# Altium PCB FMC_SDR_LFFE.PcbDoc (part 2 of 3)
Units mm, origin at the board's own origin, x right, y up, seen from the top; angles counter-clockwise.
Board outline 84.01 x 69 mm, 6 copper layers (Top, Int1 [GND], Int2 [shielded signals], Int3 [GND+PWR, Int4, Bottom), stack 1.59 mm thick; 335 components, 185 nets, 1107 pads, 416 vias.
Unrouted connection lines stored in the file: 497.
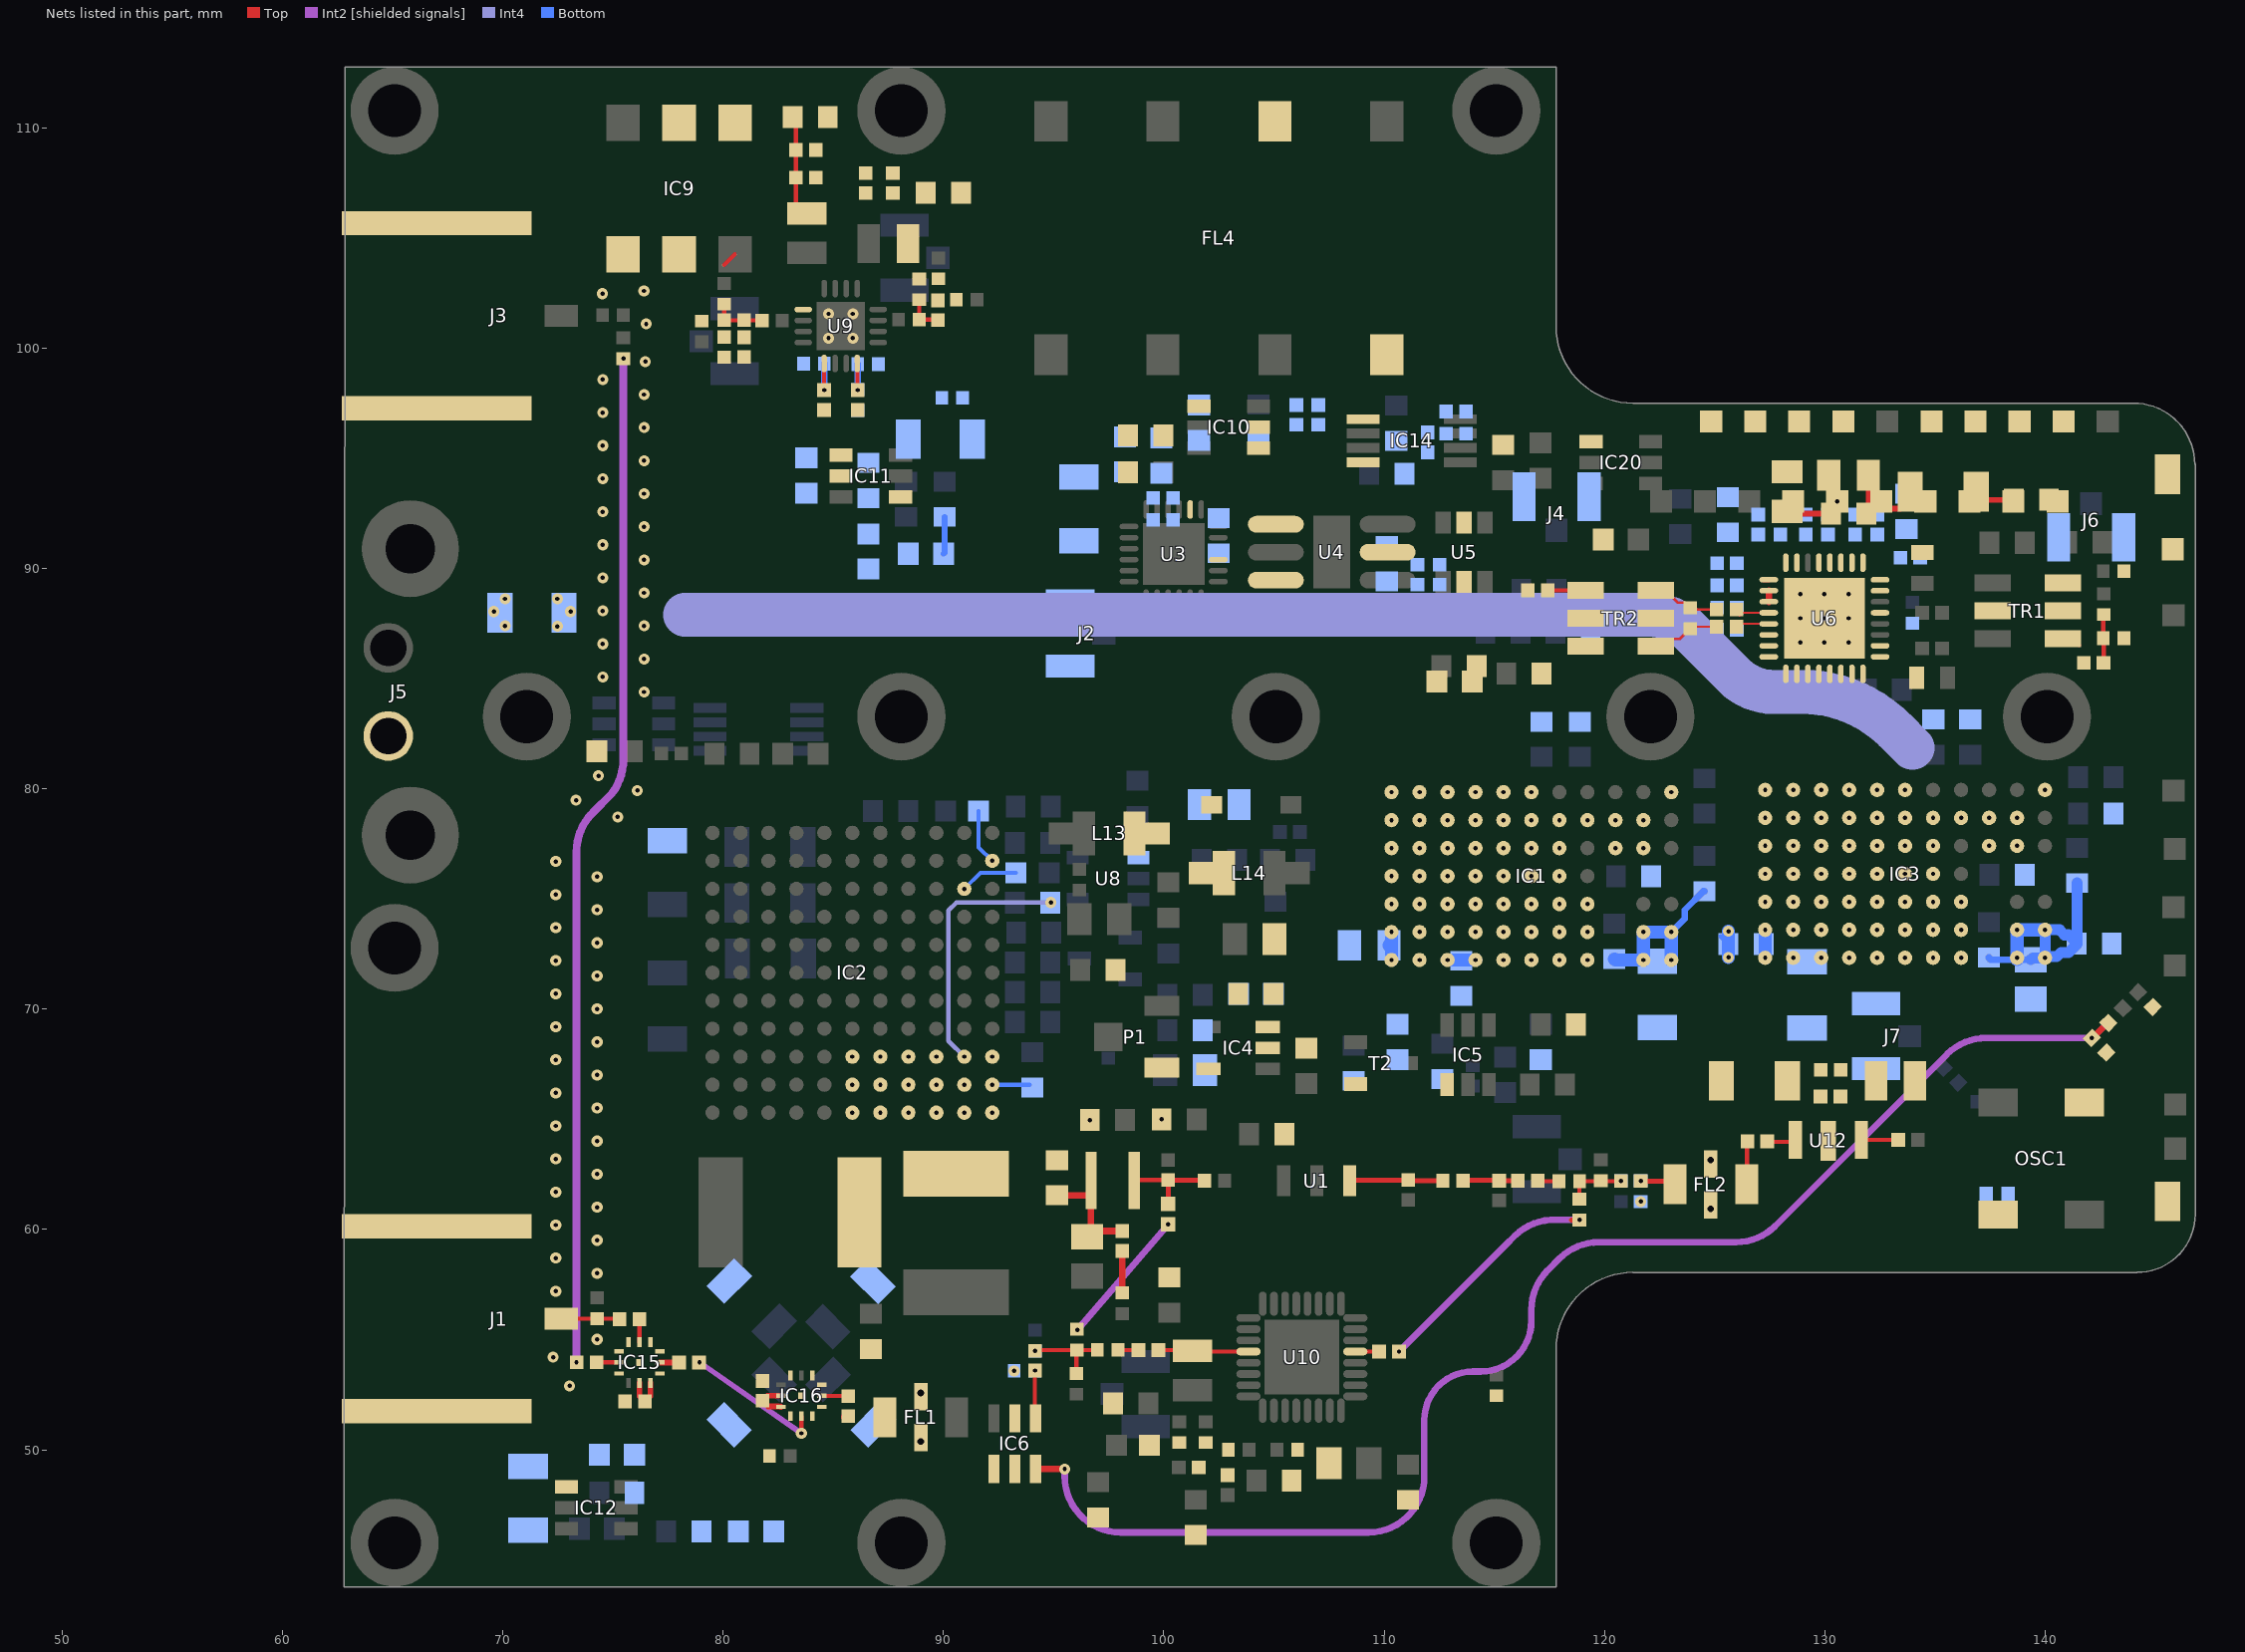
[diagram p6: the nets of this part, all layers, seen from the top]

## Part data
B5 B8 B9 B10 B11 B13 B15 B16 B28 B29 B30 B31: library part PLATED_HOLE2.4_PAD4.0, "Single Terminal Socket", Author="CERN DEM JMW", ComponentHeight=0mm, Component Type="Standard (No BOM)", CreateDate=2011-10-10, Family="Plated Hole", LatestRevisionDate=2011-10-10, Mounted=No, PackageDescription="Plated Through Hole: Hole Dia.=2.4mm Pad Dia.=4.0mm", Part Description="Plated Through Hole: Hole Dia.=2.4mm Pad Dia.=4.0mm", Part Number=PLATED_HOLE2.4_PAD4.0, Pin Count=1, SMD=No, Socket=No, Status=None, Table=Pads
C1: library part CC1206_2.2UF_50V_10%_X7R_YUDEN_UMK316B7225KLHT, "Non-polarised capacitor", Case=1206, Manufacturer="TAIYO YUDEN", Manufacturer Part Number=UMK316B7225KLHT, Tolerance=±10%, Voltage=50V, Author="CERN DEM JLC", ComponentHeight=1.9mm, Component Type=Standard, CreateDate=23.04.2015, HelpURL=\\cern.ch\dfs\Applications\Altium\Datasheets\CC1206_TAIYO-YUDEN_UMK316B7225KLHT.pdf, LatestRevisionDate=17.12.2018, Mounted=Yes, Part Description="SMD Multilayer Chip Ceramic Capacitor (High Dielectric Type) for Automotive / Industrial Applications", Part Number=CC1206_2.2UF_50V_10%_X7R_YUDEN_UMK316B7225KLHT, Pin Count=2, Sense=No, SMD=Yes, Socket=No, Status="Not Recommended", TC=X7R
C2: library part CC1206_22UF_10V_10%_X7R, "Non-polarised capacitor", Case=1206, Manufacturer=GENERIC, Manufacturer1 ComponentHeight=1.8mm, Manufacturer1 Example=MURATA, Manufacturer1 Part Number=GRM31CR71A226KE15L, Tolerance=±10%, Voltage=10V, Author="CERN DEM JLC", Component Type=Standard, CreateDate=08.06.2010, HelpURL=\\cern.ch\dfs\Applications\Altium\Datasheets\CC1206_X7R_MURATA_GRM-HI-CAP.pdf, LatestRevisionDate=08.06.2010, Manufacturer Part Number=CC1206_22UF_10V_10%_X7R, Mounted=Yes, Part Description="SMD Multilayer Chip Ceramic Capacitor", Part Number=CC1206_22UF_10V_10%_X7R, Pin Count=2, Sense=No, SMD=Yes, Socket=No, Status=Preferred, TC=X7R
C3: library part CC0805_10UF_10V_10%_X7R, "Non-polarised capacitor", Case=0805, Manufacturer=GENERIC, Manufacturer1 ComponentHeight=1.35mm, Manufacturer1 Example=MURATA, Manufacturer1 Part Number=GRM21BR71A106KE51L, Tolerance=±10%, Voltage=10V, Author="CERN DEM JLC", Component Type=Standard, CreateDate=30.04.2012, HelpURL=\\cern.ch\dfs\Applications\Altium\Datasheets\CC0805_X7R_MURATA.pdf, LatestRevisionDate=30.04.2012, Manufacturer Part Number=CC0805_10UF_10V_10%_X7R, Mounted=Yes, Part Description="SMD Multilayer Chip Ceramic Capacitor", Part Number=CC0805_10UF_10V_10%_X7R, Pin Count=2, Sense=No, SMD=Yes, Socket=No, Status=Preferred, TC=X7R
C4 C5 C6 C7: library part CC1206_2.2UF_50V_10%_X7R, "Non-polarised capacitor", Case=1206, Manufacturer=GENERIC, Manufacturer1 ComponentHeight=1.8mm, Manufacturer1 Example=KEMET, Manufacturer1 Part Number=C1206C225K5RACTU, Manufacturer Part Number=CC1206_2.2uF_50V_10%_X7R, Tolerance=±10%, Voltage=50V, Author="CERN DEM MR", Component Type=Standard, CreateDate=06.06.2016, HelpURL=\\cern.ch\dfs\Applications\Altium\Datasheets\CC1206_X7R_KEMET.pdf, LatestRevisionDate=06.06.2016, Mounted=Yes, Part Description="SMD Multilayer Chip Ceramic Capacitor", Part Number=CC1206_2.2UF_50V_10%_X7R, Pin Count=2, Sense=No, SMD=Yes, Socket=No, Status=Preferred, TC=X7R
C8 C9: library part CC0603_NO-VALUE, "Non-polarised capacitor", Case=0603, Manufacturer1 ComponentHeight=0.9mm, Author="CERN DEM MR", Component Type=Standard, CreateDate=22.11.2016, HelpURL=Undefined, LatestRevisionDate=22.11.2016, Manufacturer=Undefined, Manufacturer Part Number=CC0603_NO-VALUE, Mounted=No, Part Description="Reserved Footprint For 0603(1608) Chip Ceramic Capacitor", Part Number=CC0603_NO-VALUE, Pin Count=2, Sense=No, SMD=Yes, Socket=No, Status=None
C10: library part CC0805_2.2UF_50V_10%_X7R, "Non-polarised capacitor", Case=0805, Manufacturer=GENERIC, Manufacturer1 ComponentHeight=1.40mm, Manufacturer1 Example=MURATA, Manufacturer1 Part Number=GRM21BR61H225KA73L, Tolerance=±10%, Voltage=50V, Author="CERN DEM JLC", Component Type=Standard, CreateDate=18.08.2014, HelpURL=\\cern.ch\dfs\Applications\Altium\Datasheets\CC0805_X7R_MURATA_GRM.pdf, LatestRevisionDate=18.08.2014, Manufacturer Part Number=CC0805_2.2UF_50V_10%_X7R, Mounted=Yes, Part Description="SMD Multilayer Chip Ceramic Capacitor", Part Number=CC0805_2.2UF_50V_10%_X7R, Pin Count=2, Sense=No, SMD=Yes, Socket=No, Status=Preferred, TC=X7R
C11: library part CC2220_22UF_50V_20%_X7R_KEMET_KPS, "Non-polarised capacitor", Case=2220, Manufacturer=KEMET, Manufacturer Part Number=C2220C226M5R2C7186, Tolerance=±20%, Voltage=50V, Author="CERN DEM JLC", ComponentHeight=5.5mm, Component Type=Standard, CreateDate=20.02.2018, HelpURL=\\cern.ch\dfs\Applications\Altium\Datasheets\CC2220_X7R_KEMET_KPS.pdf, LatestRevisionDate=20.02.2018, Mounted=Yes, Part Description="Multilayer Ceramic Chip Capacitors - Stacked Cap - KEMET KPS Series", Part Number=CC2220_22UF_50V_20%_X7R_KEMET_KPS, Pin Count=2, Sense=No, SMD=Yes, Socket=No, Status=None, TC=X7R
C12: library part CC2220_47UF_25V_20%_X7S_TDK_CKG57N, "Non-polarised capacitor", Case=2220, Manufacturer=TDK, Manufacturer Part Number=CKG57NX7S1E476M500JH, Tolerance=±20%, Voltage=25V, Author="CERN DEM JLC", ComponentHeight=5.5mm, Component Type=Standard, CreateDate=21.10.2014, HelpURL=\\cern.ch\dfs\Applications\Altium\Datasheets\CC2220_X7S_TDK_CKG.pdf, LatestRevisionDate=18.12.2017, Mounted=Yes, Part Description="Multilayer Ceramic Chip Capacitor - Stacked Cap, CKG57N Series", Part Number=CC2220_47UF_25V_20%_X7S_TDK_CKG57N, Pin Count=2, Sense=No, SMD=Yes, Socket=No, Status=None, TC=X7S
C13 C99 C101 C110 C118 C123 C146 C147 C149 C150 C152 C153 C167 C174 C177 C178 C186 C200: library part CC0402_100PF_50V_5%_C0G, "Non-polarised capacitor", Case=0402, Manufacturer=GENERIC, Manufacturer1 ComponentHeight=0.55mm, Manufacturer1 Example=KEMET, Manufacturer1 Part Number=C0402C101J5GACTU, Tolerance=±5%, Voltage=50V, Author="CERN DEM JLC", Component Type=Standard, CreateDate=03.12.2007, HelpURL="\\cern.ch\dfs\Applications\Altium\Datasheets\CC0805_C0G_KEMET_(Commercial Grade).pdf", LatestRevisionDate=22.04.2015, Manufacturer Part Number=CC0402_100PF_50V_5%_C0G, Mounted=Yes, Part Description="SMD Multilayer Chip Ceramic Capacitor", Part Number=CC0402_100PF_50V_5%_C0G, Pin Count=2, Sense=No, SMD=Yes, Socket=No, Status=Preferred, TC=C0G/NP0
C14 C16 C17 C100 C102 C103 C104 C105 C106 C107 C108 C155 C156 C157 C158 C161 C162 C163 C165 C175: library part CC0402_1NF_50V_10%_X7R, "Non-polarised capacitor", Case=0402, Manufacturer=GENERIC, Manufacturer1 ComponentHeight=0.55mm, Manufacturer1 Example=PHYCOMP, Manufacturer1 Part Number=223858715623, Tolerance=±10%, Voltage=50V, Author="CERN DEM JLC", Component Type=Standard, CreateDate=03.12.2007, HelpURL=\\cern.ch\dfs\Applications\Altium\Datasheets\CC0402_X7R_PHYCOMP.pdf, LatestRevisionDate=03.12.2007, Manufacturer Part Number=CC0402_1NF_50V_10%_X7R, Mounted=Yes, Part Description="SMD Multilayer Chip Ceramic Capacitor", Part Number=CC0402_1NF_50V_10%_X7R, Pin Count=2, Sense=No, SMD=Yes, Socket=No, Status="Not Recommended", TC=X7R
C15: library part CC0603_10NF_50V_5%_C0G, "Non-polarised capacitor", Case=0603, Manufacturer=GENERIC, Manufacturer1 ComponentHeight=0.9mm, Manufacturer1 Example=TDK, Manufacturer1 Part Number=C1608C0G1H103J080AA, Tolerance=±5%, Voltage=50V, Author="CERN DEM JLC", Component Type=Standard, CreateDate=10.12.2014, HelpURL=\\cern.ch\dfs\Applications\Altium\Datasheets\CC0603_C0G_TDK_C.pdf, LatestRevisionDate=10.12.2014, Manufacturer Part Number=CC0603_10NF_50V_5%_C0G, Mounted=Yes, Part Description="SMD Multilayer Chip Ceramic Capacitor", Part Number=CC0603_10NF_50V_5%_C0G, Pin Count=2, Sense=No, SMD=Yes, Socket=No, Status=Preferred, TC=C0G/NP0
C18 C20: "Standard Cap", Case=0402, Manufacturer=Murata, Manufacturer Part Number=GCQ1555C1H3R9WB01D, Part Number=CC0402_3.9pF_50V_10%_NP0, Tolerance=±10%, Voltage=50V, Author=SHA, Component Type=Standard, Part Description="SMD Multilayer Chip Ceramic Capacitor", Pin Count=2, Sense=No, SMD=Yes, Socket=No, Status=Recommended, TC=NP0
C19: library part CC0402_3.3PF_50V_0.25PF_C0G, "Non-polarised capacitor", Case=0402, Manufacturer=GENERIC, Manufacturer1 ComponentHeight=0.55mm, Manufacturer1 Example=KEMET, Manufacturer1 Part Number=C0402C339C5GACTU, Tolerance=±0.25pF, Voltage=50V, Author="CERN DEM JLC", Component Type=Standard, CreateDate=03.12.2007, HelpURL="\\cern.ch\dfs\Applications\Altium\Datasheets\CC0805_C0G_KEMET_(Commercial Grade).pdf", LatestRevisionDate=22.04.2015, Manufacturer Part Number=CC0402_3.3PF_50V_0.25PF_C0G, Mounted=Yes, Part Description="SMD Multilayer Chip Ceramic Capacitor", Part Number=CC0402_3.3PF_50V_0.25PF_C0G, Pin Count=2, Sense=No, SMD=Yes, Socket=No, Status=Preferred, TC=C0G/NP0
C21: "Standard Cap", Case=0402, Manufacturer=Murata, Manufacturer Part Number=GCQ1555C1H3R9WB01D, Part Number=CC0402_7.2pF_50V_10%_NP0, Tolerance=±10%, Voltage=50V, Author=SHA, Component Type=Standard, Part Description="SMD Multilayer Chip Ceramic Capacitor", Pin Count=2, Sense=No, SMD=Yes, Socket=No, Status=Recommended, TC=NP0
C109: library part CC0805_33NF_25V_10%_X7R, "Non-polarised capacitor", Case=0805, Manufacturer=GENERIC, Manufacturer1 ComponentHeight=1.35mm, Manufacturer1 Example=PHYCOMP, Manufacturer1 Part Number=223891015643, Tolerance=±10%, Voltage=25V, Author="CERN DEM JLC", Component Type=Standard, CreateDate=03.12.2007, HelpURL=\\cern.ch\dfs\Applications\Altium\Datasheets\CC0805_X7R_PHYCOMP.pdf, LatestRevisionDate=03.12.2007, Manufacturer Part Number=CC0805_33NF_25V_10%_X7R, Mounted=Yes, Part Description="SMD Multilayer Chip Ceramic Capacitor", Part Number=CC0805_33NF_25V_10%_X7R, Pin Count=2, Sense=No, SMD=Yes, Socket=No, Status=Preferred, TC=X7R
C111 C115 C116 C119 C121 C122 C124 C151 C154 C201: library part CC0402_100NF_50V_10%_X7R, "Non-polarised capacitor", Case=0402, Manufacturer=GENERIC, Manufacturer1 ComponentHeight=0.55mm, Manufacturer1 Example=MURATA, Manufacturer1 Part Number=GRM155R71H104KE14D, Tolerance=±10%, Voltage=50V, Author="CERN DEM MR", Component Type=Standard, CreateDate=30.06.2017, HelpURL=\\cern.ch\dfs\Applications\Altium\Datasheets\CC0402_MURATA_GRM155R71H104KE14D.pdf, LatestRevisionDate=30.06.2017, Manufacturer Part Number=CC0402_100NF_50V_10%_X7R, Mounted=Yes, Part Description="SMD Multilayer Chip Ceramic Capacitor", Part Number=CC0402_100NF_50V_10%_X7R, Pin Count=2, Sense=No, SMD=Yes, Socket=No, Status=None, TC=X7R
C112 C114 C120: library part CC0402_10PF_50V_5%_C0G, "Non-polarised capacitor", Case=0402, Manufacturer=GENERIC, Manufacturer1 ComponentHeight=0.55mm, Manufacturer1 Example=KEMET, Manufacturer1 Part Number=C0402C100J5GACTU, Tolerance=±5%, Voltage=50V, Author="CERN DEM JLC", Component Type=Standard, CreateDate=03.12.2007, HelpURL="\\cern.ch\dfs\Applications\Altium\Datasheets\CC0805_C0G_KEMET_(Commercial Grade).pdf", LatestRevisionDate=22.04.2015, Manufacturer Part Number=CC0402_10PF_50V_5%_C0G, Mounted=Yes, Part Description="SMD Multilayer Chip Ceramic Capacitor", Part Number=CC0402_10PF_50V_5%_C0G, Pin Count=2, Sense=No, SMD=Yes, Socket=No, Status=Preferred, TC=C0G/NP0
C113: library part CC1206_1UF_25V_10%_X7R, "Non-polarised capacitor", Case=1206, Manufacturer=GENERIC, Manufacturer1 ComponentHeight=1.75mm, Manufacturer1 Example=KEMET, Manufacturer1 Part Number=C1206C105K3RAC, Tolerance=±10%, Voltage=25V, Author="CERN DEM JLC", Component Type=Standard, CreateDate=03.12.2007, HelpURL=\\cern.ch\dfs\Applications\Altium\Datasheets\CC1206_X7R_KEMET.pdf, LatestRevisionDate=03.12.2007, Manufacturer Part Number=CC1206_1UF_25V_10%_X7R, Mounted=Yes, Part Description="SMD Multilayer Chip Ceramic Capacitor", Part Number=CC1206_1UF_25V_10%_X7R, Pin Count=2, Sense=No, SMD=Yes, Socket=No, Status=Preferred, TC=X7R
C117: library part CC0805_6.8NF_50V_10%_X7R, "Non-polarised capacitor", Case=0805, Manufacturer=GENERIC, Manufacturer1 ComponentHeight=1.35mm, Manufacturer1 Example=PHYCOMP, Manufacturer1 Part Number=223858615634, Tolerance=±10%, Voltage=50V, Author="CERN DEM JLC", Component Type=Standard, CreateDate=03.12.2007, HelpURL=\\cern.ch\dfs\Applications\Altium\Datasheets\CC0805_X7R_PHYCOMP.pdf, LatestRevisionDate=03.12.2007, Manufacturer Part Number=CC0805_6.8NF_50V_10%_X7R, Mounted=Yes, Part Description="SMD Multilayer Chip Ceramic Capacitor", Part Number=CC0805_6.8NF_50V_10%_X7R, Pin Count=2, Sense=No, SMD=Yes, Socket=No, Status=Preferred, TC=X7R
C128 C129 C130 C131 C136 C139 C169 C182 C184 C188 C189 C192 C193 C194 C205 C206 C207 C208: library part CC0603_1UF_25V_10%_X7R, "Non-polarised capacitor", Case=0603, Manufacturer=GENERIC, Manufacturer1 ComponentHeight=0.9mm, Manufacturer1 Example=MURATA, Manufacturer1 Part Number=GRM188R71E105KA12D, Tolerance=±10%, Voltage=25V, Author="CERN DEM JLC", Component Type=Standard, CreateDate=18/01/2011, HelpURL=\\cern.ch\dfs\Applications\Altium\Datasheets\CC0603_X7R_MURATA.pdf, LatestRevisionDate=18/01/2011, Manufacturer Part Number=CC0603_1UF_25V_10%_X7R, Mounted=Yes, Part Description="SMD Multilayer Chip Ceramic Capacitor", Part Number=CC0603_1UF_25V_10%_X7R, Pin Count=2, Sense=No, SMD=Yes, Socket=No, Status=None, TC=X7R
C148: library part CC0402_NO-VALUE, "Non-polarised capacitor", Case=0402, Manufacturer1 ComponentHeight=0.55mm, Author="CERN DEM JLC", Component Type=Standard, CreateDate=14.01.2014, HelpURL=Undefined, LatestRevisionDate=14.01.2014, Manufacturer=Undefined, Manufacturer Part Number=CC0402_NO-VALUE, Mounted=No, Part Description="Reserved Footprint For 0402(1005) Chip Ceramic Capacitor", Part Number=CC0402_NO-VALUE, Pin Count=2, Sense=No, SMD=Yes, Socket=No, Status=None
C159 C160: library part CC0402_10NF_50V_10%_X7R, "Non-polarised capacitor", Case=0402, Manufacturer=GENERIC, Manufacturer1 ComponentHeight=0.55mm, Manufacturer1 Example=MURATA, Manufacturer1 Part Number=GRM155R71H103KA88D, Tolerance=±10%, Voltage=50V, Author="CERN DEM MR", Component Type=Standard, CreateDate=08.01.2016, HelpURL=\\cern.ch\dfs\Applications\Altium\Datasheets\CC0402_X7R_MURATA_GRM.pdf, LatestRevisionDate=08.01.2016, Manufacturer Part Number=CC0402_10NF_50V_10%_X7R, Mounted=Yes, Part Description="SMD Multilayer Chip Ceramic Capacitor", Part Number=CC0402_10NF_50V_10%_X7R, Pin Count=2, Sense=No, SMD=Yes, Socket=No, Status=None, TC=X7R
C164 C168: library part CC0805_1UF_50V_10%_X7R, "Non-polarised capacitor", Case=0805, Manufacturer=GENERIC, Manufacturer1 ComponentHeight=1.1mm, Manufacturer1 Example=KEMET, Manufacturer1 Part Number=C0805C105K5RACTU, Tolerance=±10%, Voltage=50V, Author="CERN DEM JLC", Component Type=Standard, CreateDate=04.12.2013, HelpURL=\\cern.ch\dfs\Applications\Altium\Datasheets\CC0805_X7R_KEMET.pdf, LatestRevisionDate=04.12.2013, Manufacturer Part Number=CC0805_1UF_50V_10%_X7R, Mounted=Yes, Part Description="SMD Multilayer Chip Ceramic Capacitor", Part Number=CC0805_1UF_50V_10%_X7R, Pin Count=2, Sense=No, SMD=Yes, Socket=No, Status=Preferred, TC=X7R
C166: library part CC0603_10NF_100V_10%_X7R_YUDEN_HMK107B7103KAHT, "Non-polarised capacitor", Case=0603, Manufacturer="TAIYO YUDEN", Manufacturer Part Number=HMK107B7103KAHT, Tolerance=±10%, Voltage=100V, Author="CERN DEM JLC", ComponentHeight=0.9mm, Component Type=Standard, CreateDate=10.05.2017, HelpURL=\\cern.ch\dfs\Applications\Altium\Datasheets\CC0603_TAIYO-YUDEN_HMK107B7103KAHT.pdf, LatestRevisionDate=10.05.2017, Mounted=Yes, Part Description="SMD Multilayer Chip Ceramic Capacitor for Automotive / Industrial Applications", Part Number=CC0603_10NF_100V_10%_X7R_YUDEN_HMK107B7103KAHT, Pin Count=2, Sense=No, SMD=Yes, Socket=No, Status="Not Recommended", TC=X7R
C170: library part CC0402_12PF_50V_1%_NP0_JOHANSON_R07S, "Non-polarised capacitor", Case=0402, Manufacturer="JOHANSON TECHNOLOGY", Manufacturer Part Number=500R07S120FV4T, Tolerance=±1%, Voltage=50V, Author="CERN DEM BC", ComponentHeight=0.61mm, Component Type=Standard, CreateDate=20.11.2017, HelpURL=\\cern.ch\dfs\Applications\Altium\Datasheets\CC0402_NP0_JOHANSON_R07S.pdf, LatestRevisionDate=26.09.2018, Mounted=Yes, Part Description="Ultra High-Q SMD Multilayer Capacitor", Part Number=CC0402_12PF_50V_1%_NP0_JOHANSON_R07S, Pin Count=2, Sense=No, SMD=Yes, Socket=No, Status="Not Recommended", TC=C0G/NP0
C176: library part CC1206_10UF_25V_10%_X7R, "Non-polarised capacitor", Case=1206, Manufacturer=GENERIC, Manufacturer1 ComponentHeight=1.8mm, Manufacturer1 Example=KEMET, Manufacturer1 Part Number=C1206C106K4RACTU, Manufacturer Part Number=CC1206_10uF_25V_10%_X7R, Tolerance=±10%, Voltage=25V, Author="CERN DEM JLC", Component Type=Standard, CreateDate=12.09.2012, HelpURL=\\cern.ch\dfs\Applications\Altium\Datasheets\CC1206_X7R_KEMET.pdf, LatestRevisionDate=12.09.2012, Mounted=Yes, Part Description="SMD Multilayer Chip Ceramic Capacitor", Part Number=CC1206_10UF_25V_10%_X7R, Pin Count=2, Sense=No, SMD=Yes, Socket=No, Status=Preferred, TC=X7R
C181: library part CC0805_470NF_16V_10%_X7R, "Non-polarised capacitor", Case=0805, Manufacturer=GENERIC, Manufacturer1 ComponentHeight=1.45mm, Manufacturer1 Example=YAGEO, Manufacturer1 Part Number=CC0805KKX7R7BB474, Tolerance=±10%, Voltage=16V, Author="CERN DEM JLC", Component Type=Standard, CreateDate=03.12.2007, HelpURL="\\cern.ch\dfs\Applications\Altium\Datasheets\CC0805_X7R_YAGEO_HIGH CAPACITANCE_MAX50V.pdf", LatestRevisionDate=21.04.2015, Manufacturer Part Number=CC0805_470NF_16V_10%_X7R, Mounted=Yes, Part Description="SMD Multilayer Chip Ceramic Capacitor", Part Number=CC0805_470NF_16V_10%_X7R, Pin Count=2, Sense=No, SMD=Yes, Socket=No, Status=Preferred, TC=X7R
C183 C185 C187: library part CC0805_10UF_25V_10%_X5R, "Non-polarised capacitor", Case=0805, Manufacturer=GENERIC, Manufacturer1 ComponentHeight=0.95mm, Manufacturer1 Example=MURATA, Manufacturer1 Part Number=GRM219R61E106KA12D, Tolerance=±10%, Voltage=25V, Author="CERN DEM JLC", Component Type=Standard, CreateDate=25/10/2012, HelpURL=\\cern.ch\dfs\Applications\Altium\Datasheets\CC0805_X5R_MURATA_GRM.pdf, LatestRevisionDate=06/09/2016, Manufacturer Part Number=CC0805_10UF_25V_10%_X5R, Mounted=Yes, Part Description="SMD Multilayer Chip Ceramic Capacitor", Part Number=CC0805_10UF_25V_10%_X5R, Pin Count=2, Sense=No, SMD=Yes, Socket=No, Status=Preferred, TC=X5R
C202 C203: library part CC0402_100NF_16V_10%_X7R, "Non-polarised capacitor", Case=0402, Manufacturer=GENERIC, Manufacturer1 ComponentHeight=0.55mm, Manufacturer1 Example=MURATA, Manufacturer1 Part Number=GRM155R71C104KA88D, Tolerance=±10%, Voltage=16V, Author="CERN DEM JLC", Component Type=Standard, CreateDate=05.12.2013, HelpURL=\\cern.ch\dfs\Applications\Altium\Datasheets\CC0402_X7R_MURATA_GRM.pdf, LatestRevisionDate=03.12.2007, Manufacturer Part Number=CC0402_100NF_16V_10%_X7R, Mounted=Yes, Part Description="SMD Multilayer Chip Ceramic Capacitor", Part Number=CC0402_100NF_16V_10%_X7R, Pin Count=2, Sense=No, SMD=Yes, Socket=No, Status="Not Recommended", TC=X7R
D1: "Schottky Diode", Case=SOD-123, Manufacturer="FAIRCHILD SEMICONDUCTOR", Power=0.5A, Voltage=20V, Author="CERN DEM JLC", Bonding=No, ComponentHeight=1.18mm, Component Type=Standard, CreateDate=25.11.2009, Device=MBR0520L, HelpURL=\\cern.ch\dfs\Applications\Altium\Datasheets\MBR0520L.pdf, LatestRevisionDate=25.11.2009, Manufacturer Part Number=MBR0520L, Mounted=Yes, PackageDescription="SOD Diode (SOD-123); 2.70mm W X 1.60mm L X 1.18mm H body, IPC Medium Density", Part Description="Schottky Power Rectifier", Part Number=MBR0520L, Pin Count=2, PressFit=No, Sense=No, SMD=Yes, Socket=No
FL1 FL2: "LTCC Low Pass Filter, DC -850 MHz", Manufacturer=MINI-CIRCUITS, Manufacturer Part Number=LFCN-1575+, Part Number=FIL_MINI-CIRCUITS_LFCN-1575+, Author="CERN DEM JLC", ComponentHeight=0.94mm, Component Type=Standard, CreateDate=21.04.2014, HelpURL=\\cern.ch\dfs\Applications\Altium\Datasheets\FIL_MINI-CIRCUITS_LFCN-1575+.pdf, LatestRevisionDate=21.04.2015, Mounted=Yes, Part Description="50 Ohm Low Pass Filter", Pin Count=2, Sense=No, SMD=Yes, Socket=No, Status=None
FL4: library part SXBP-820+
IC1 IC3: "3V-36V To 0.8V-10V, Iout 2A Ultralow Noise EMC Compliant DC/DC uModule", Case=BGA71, Manufacturer="LINEAR TECHNOLOGY", Author="CERN DEM BC", Bonding=No, ComponentHeight=3.62mm, Component Type=Standard, CreateDate=17.12.2018, Device=LTM8032IY#PBF, HelpURL=\\cern.ch\dfs\Applications\Altium\Datasheets\LTM8032IY#PBF.pdf, LatestRevisionDate=17.12.2018, Manufacturer Part Number=LTM8032IY#PBF, Mounted=Yes, PackageDescription="BGA, 1.27mm pitch, rect., 71 pin, 7 columns X 11 rows, 9mm X 15mm X 3.62mm H", Part Description="3V-36V To 0.8V-10V, Iout 2A, Ultralow Noise EMC Compliant DC-DC uModule", Part Number=LTM8032IY#PBF, Pin Count=71, PressFit=No, Sense=No, SMD=Yes, Socket=No
IC2: "58VIN, 48VOUT Buck-Boost µModule Regulator", Case=BGA121, Manufacturer="LINEAR TECHNOLOGY", Author="CERN DEM JLC", Bonding=No, ComponentHeight=5.12mm, Component Type=Standard, CreateDate=08.04.2019, Device=LTM8056IY#PBF, HelpURL=\\cern.ch\dfs\Applications\Altium\Datasheets\LTM8056IY#PBF.pdf, LatestRevisionDate=08.04.2019, Manufacturer Part Number=LTM8056IY#PBF, Mounted=Yes, PackageDescription="BGA,1.27mm Pitch, Square;121 Pin, 11 Columns X 11 Rows, 15.00mm X 15.00mm X 5.12mm H", Part Description="58VIN, 48VOUT Buck-Boost µModule Regulator", Part Number=LTM8056IY#PBF, Pin Count=121, PressFit=No, Sense=No, SMD=Yes, Socket=No
IC4: "200mA, Low Noise, Low Dropout Negative Micropower Regulator", Case=SOT23-5, Manufacturer="LINEAR TECHNOLOGY", Author="CERN DEM MR", Bonding=No, ComponentHeight=1mm, Component Type=Standard, CreateDate=17.02.2016, Device=LT1964ES5-BYP#TRMPBF, HelpURL=\\cern.ch\dfs\Applications\Altium\Datasheets\LT1964ES5-BYP#TRMPBF.pdf, LatestRevisionDate=17.02.2016, Manufacturer Part Number=LT1964ES5-BYP#TRMPBF, Mounted=Yes, PackageDescription="SOT23, 0.95mm pitch; 5 pin, 1.75mm W X 3.00mm L, IPC Medium Density", Part Description="-1.22V to -20V, 200mA, Low Noise, Low Dropout Negative Micropower Regulator", Part Number=LT1964ES5-BYP#TRMPBF, Pin Count=5, PressFit=No, Sense=No, SMD=Yes, Socket=No
IC5 IC10 IC11 IC12 IC19 IC20: "High Accuracy anyCAP® 50 mA Low Dropout Linear Regulator", Case=SOT23-6, Manufacturer="ANALOG DEVICES", Author="CERN DEM JLC", Bonding=No, ComponentHeight=1.45mm, Component Type=Standard, CreateDate=30.11.2011, LatestRevisionDate=30.11.2011, Mounted=Yes, PackageDescription="SOT23, 0.95mm pitch; 6 pin, 1.6mm W X 2.9mm L X 1.45mm H body, IPC Medium Density", Pin Count=6, PressFit=No, Sense=No, SMD=Yes, Socket=No
  IC5 IC20: Device=ADP3300ARTZ-5-RL7, HelpURL=\\cern.ch\dfs\Applications\Altium\Datasheets\ADP3300ARTZ-5-RL7.pdf, Manufacturer Part Number=ADP3300ARTZ-5-RL7, Part Description="5V High Accuracy anyCAP® 50 Ma Low Dropout Linear Regulator", Part Number=ADP3300ARTZ-5-RL7
  IC10 IC11 IC12 IC19: Device=ADP3300ARTZ-3.3-RL7, HelpURL=\\cern.ch\dfs\Applications\Altium\Datasheets\ADP3300ARTZ-3.3-RL7.pdf, Manufacturer Part Number=ADP3300ARTZ-3.3-RL7, Part Description="3.3V High Accuracy anyCAP® 50 Ma Low Dropout Linear Regulator", Part Number=ADP3300ARTZ-3.3-RL7
IC6: "50 Ohms, 700 To 3500MHz, 4W, 16-26dB  Directional Coupler", Manufacturer=MINI-CIRCUITS, Author="CERN DEM MR", Bonding=No, ComponentHeight=1.63mm, Component Type=Standard, CreateDate=05.04.2019, Device=D17W+, HelpURL=\\cern.ch\dfs\Applications\Altium\Datasheets\D17W+.pdf, LatestRevisionDate=05.04.2019, Manufacturer Part Number=D17W+, Mounted=Yes, PackageDescription="MINI-CIRCUITS Case CA531, 0.94mm Pitch, Body 3mm W X 3.1mm L", Part Description="50 Ohms, 700 To 3500MHz, 4W, 16-26dB  Directional Coupler", Part Number=D17W+, Pin Count=6, PressFit=No, Sense=No, SMD=Yes, Socket=No
IC9: "50 Ohm, 0.2 to 3000MHz, +12 to +33dBm Limiter", Manufacturer=MINI-CIRCUITS, Author="CERN DEM JLC", Bonding=No, ComponentHeight=4.06mm, Component Type=Standard, CreateDate=11.09.2013, Device=RLM-33-2W+, HelpURL=\\cern.ch\dfs\Applications\Altium\Datasheets\RLM-33-2W+.pdf, LatestRevisionDate=11.09.2013, Manufacturer Part Number=RLM-33-2W+, Mounted=Yes, PackageDescription="MINI-CIRCUITS TT1224 Case, 6 pin, 6.35mm W X 7.87mm L", Part Description="50 Ohms, 0.2 to 3000MHz, +12 to +33dBm Limiter", Part Number=RLM-33-2W+, Pin Count=6, PressFit=No, Sense=No, SMD=Yes, Socket=No
IC14 IC18: "3.3V 20Mbps RS485/RS422 Transceivers", Case=MSOP8, Manufacturer="LINEAR TECHNOLOGY", Author="CERN DEM JLC", Bonding=No, ComponentHeight=1.1mm, Component Type=Standard, CreateDate=14.12.2010, Device=LTC2851CMS8#PBF, HelpURL=\\cern.ch\dfs\Applications\Altium\Datasheets\LTC2851CMS8#PBF.pdf, LatestRevisionDate=14.12.2010, Manufacturer Part Number=LTC2851CMS8#PBF, Mounted=Yes, PackageDescription="SOP, 0.65mm pitch; 8 pin, 3.00mm W X 3.00mm L X 1.10mm H body, IPC Medium Density", Part Description="3.3V 20Mbps RS485/RS422 Transceivers", Part Number=LTC2851CMS8#PBF, Pin Count=8, PressFit=No, Sense=No, SMD=Yes, Socket=No
IC15 IC16: "SPDT RF Switch, 50 Ohm, 5 to 6000MHz, High Power 3W", Manufacturer=MINI-CIRCUITS, Author="CERN DEM JMW", Bonding=No, ComponentHeight=0.61mm, Component Type=Standard, CreateDate=11.08.2016, Device=JSW2-63DR+, HelpURL=\\cern.ch\dfs\Applications\Altium\Datasheets\JSW2-63DR+.pdf, LatestRevisionDate=11.08.2016, Manufacturer Part Number=JSW2-63DR+, Mounted=Yes, PackageDescription="MINI-CIRCUITS MT1818 Case, Body 2.06mm L X 2.06mm W X 0.61mm H", Part Description="SPDT RF Switch, 50 Ohms, 5 to 6000MHz, High Power 3W", Part Number=JSW2-63DR+, Pin Count=13, PressFit=No, Sense=No, SMD=Yes, Socket=No
J1 J3: library part TELEGARTNER_J01151A0451, Manufacturer=TELEGARTNER, Manufacturer Part Number=J01151A0451, Author="CERN DEM JLC", ComponentHeight=7mm, Component Type=Standard, CreateDate=27/10/2016, Family=SMA, HelpURL=\\cern.ch\dfs\Applications\Altium\Datasheets\TELEGARTNER_J01151A0451.pdf, LatestRevisionDate=27/10/2016, Mounted=Yes, Part Description="SMA 50 ohms Edge Mount Bulkhead Jack Receptacle", Part Number=TELEGARTNER_J01151A0451, Pin Count=2, PressFit=No, Sense=No, SMD=No, Socket=No, Status=None
J2 J4 J6 J7 J8 J9 J10 J11: library part HIROSE_U.FL-R-SMT-1(10), Manufacturer="HIROSE (HRS)", Manufacturer Part Number=U.FL-R-SMT-1(10), Author="CERN DEM JLC", ComponentHeight=1.25mm, Component Type=Standard, CreateDate=24.03.2010, Family=U.FL, HelpURL=\\cern.ch\dfs\Applications\Altium\Datasheets\HIROSE_U.FL-R-SMT-1(10).pdf, LatestRevisionDate=24.03.2010, Mounted=Yes, Part Description="Up to 6GHz Ultra Small Surface Mount Male Coaxial Connectors U.FL Series", Part Number=HIROSE_U.FL-R-SMT-1(10), Pin Count=2, PressFit=No, Sense=No, SMD=Yes, Socket=No, Status=None
J5: library part CON_M80-5000000M5-02-333-00-000, "2pin (2 power), THT socket with M2 jackscrews", Manufacturer=Harwin, Part Number=M80-5L10405M5-02-333-00-000, Bonding=No, Case=M80-5000000M5-02-333-00-000, ComponentHeigth=6.05mm, Component Type=Standard, CreateDate=2018-06-18, Device=M80-5000000M5-02-333-00-000, HelpURL=https://www.harwin.com/products/M80-5000000M5-02-333-00-000/, LatestRevisionDate=2018-06-18, Manufacturer Part Number=M80-5000000M5-02-333-00-000, Mounted=Yes, PackageDescription="H=6.05mm, W=18mm, D=8.6mm", Part Description="2pin (2 power), THT socket with M2 jackscrews", Pin Count=6, PressFit=No, Sense=No, SMD=No, Socket=No
L1: "RF Inductor", Manufacturer=Murata, Manufacturer Part Number=LQG15HZ2N7S02D, Tolerance=±1%, Component Type=Standard, Mounted=Yes, Part Number=LQG15HZ2N7S02D, Pin Count=2, Sense=No, SMD=Yes, Socket=No, Status=None
L2: "RF Inductor", Manufacturer=Murata, Manufacturer Part Number=LQG15HZ2N7S02D, Part Number=LQG15HZ3N3S02D, Tolerance=±1%, Component Type=Standard, Mounted=Yes, Pin Count=2, Sense=No, SMD=Yes, Socket=No, Status=None
L3 L4: library part IND_24NH_2%_COILCRAFT_0805CS, "Inductor With Core", Case=0805, Manufacturer=COILCRAFT, Manufacturer Part Number=0805CS-240XGLB, Power=500mA, Resistance=0.22R, Tolerance=±2%, Author="CERN DEM JLC", ComponentHeight=1.52mm, Component Type=Standard, CreateDate=19.08.2013, HelpURL=\\cern.ch\dfs\Applications\Altium\Datasheets\IND_COILCRAFT_0805CS.pdf, LatestRevisionDate=19.08.2013, Mounted=Yes, Part Description="SMT Chip Inductor", Part Number=IND_24NH_2%_COILCRAFT_0805CS, Pin Count=2, Sense=No, SMD=Yes, Socket=No, Status=None
L11 L12: library part IND0603_100NH_2%_COILCRAFT_0603HP-R10XGLU, "Inductor With Core", Case=0603, Manufacturer=COILCRAFT, Manufacturer Part Number=0603HP-R10XGLU, Power=470mA, Resistance=0.54R, Tolerance=±2%, Author="CERN DEM JLC", ComponentHeight=0.94mm, Component Type=Standard, CreateDate=09.02.2017, HelpURL=\\cern.ch\dfs\Applications\Altium\Datasheets\IND0603_COILCRAFT_0603HP.pdf, LatestRevisionDate=09.02.2017, Mounted=Yes, Part Description="Ceramic Chip Inductor", Part Number=IND0603_100NH_2%_COILCRAFT_0603HP-R10XGLU, Pin Count=2, Sense=No, SMD=Yes, Socket=No, Status=None
L13 L14: library part IND_10UH_10%_MURATA_LQH32CN100K33L, "Inductor With Core", Manufacturer=MURATA, Manufacturer Part Number=LQH32CN100K33L, Power=450mA, Resistance=0.3R, Tolerance=±10%, Author="CERN DEM JLC", ComponentHeight=2.2mm, Component Type=Standard, CreateDate=06.04.2009, HelpURL=\\cern.ch\dfs\Applications\Altium\Datasheets\IND_MURATA_LQH32CN_33.pdf, LatestRevisionDate=04.07.2018, Mounted=Yes, Part Description="Chip Inductor (Chip Coil) for Choke Wire Wound Type", Part Number=IND_10UH_10%_MURATA_LQH32CN100K33L, Pin Count=2, Sense=No, SMD=Yes, Socket=No, Status=None
L17 L18: "Inductor", Part Number=IND_10NH, Tolerance=±1%, Component Type=Standard, Mounted=Yes, Pin Count=2, Sense=No, SMD=Yes, Socket=No, Status=None
L21: library part IND_330NH_2%_COILCRAFT_0805CS, "Inductor With Core", Case=0805, Manufacturer=COILCRAFT, Manufacturer Part Number=0805CS-331XGL, Power=310mA, Resistance=1.4R, Tolerance=±2%, Author="CERN DEM JMW", ComponentHeight=1.52mm, Component Type=Standard, CreateDate=26.10.2015, HelpURL=\\cern.ch\dfs\Applications\Altium\Datasheets\IND_COILCRAFT_0805CS.pdf, LatestRevisionDate=26.10.2015, Mounted=Yes, Part Description="SMT Chip Inductor", Part Number=IND_330NH_2%_COILCRAFT_0805CS, Pin Count=2, Sense=No, SMD=Yes, Socket=No, Status=None
L22: library part IND_15.7NH_2%_COILCRAFT_0806SQ-16NGLC, "Inductor", Manufacturer=COILCRAFT, Manufacturer Part Number=0806SQ-16NGLC, Power=2.9A, Resistance=0.009R, Tolerance=±2%, Author="CERN DEM JLC", ComponentHeight=1.5mm, Component Type=Standard, CreateDate=21.03.2018, HelpURL=\\cern.ch\dfs\Applications\Altium\Datasheets\IND_COILCRAFT_0806SQ-16N.pdf, LatestRevisionDate=21.03.2018, Mounted=Yes, Part Description="Square Air Core Inductor", Part Number=IND_15.7NH_2%_COILCRAFT_0806SQ-16NGLC, Pin Count=2, Sense=No, SMD=Yes, Socket=No, Status=None
L23: library part IND_150NH_2%_COILCRAFT_0805CS, "Inductor With Core", Case=0805, Manufacturer=COILCRAFT, Manufacturer Part Number=0805CS-151XGLC, Power=400mA, Resistance=0.56R, Tolerance=±2%, Author="CERN DEM JLC", ComponentHeight=1.52mm, Component Type=Standard, CreateDate=03.03.2015, HelpURL=\\cern.ch\dfs\Applications\Altium\Datasheets\IND_COILCRAFT_0805CS.pdf, LatestRevisionDate=03.03.2015, Mounted=Yes, Part Description="SMT Chip Inductor", Part Number=IND_150NH_2%_COILCRAFT_0805CS, Pin Count=2, Sense=No, SMD=Yes, Socket=No, Status=None